# Altium PCB ETRX_Shield_III.PcbDoc (part 1 of 2) (continued)
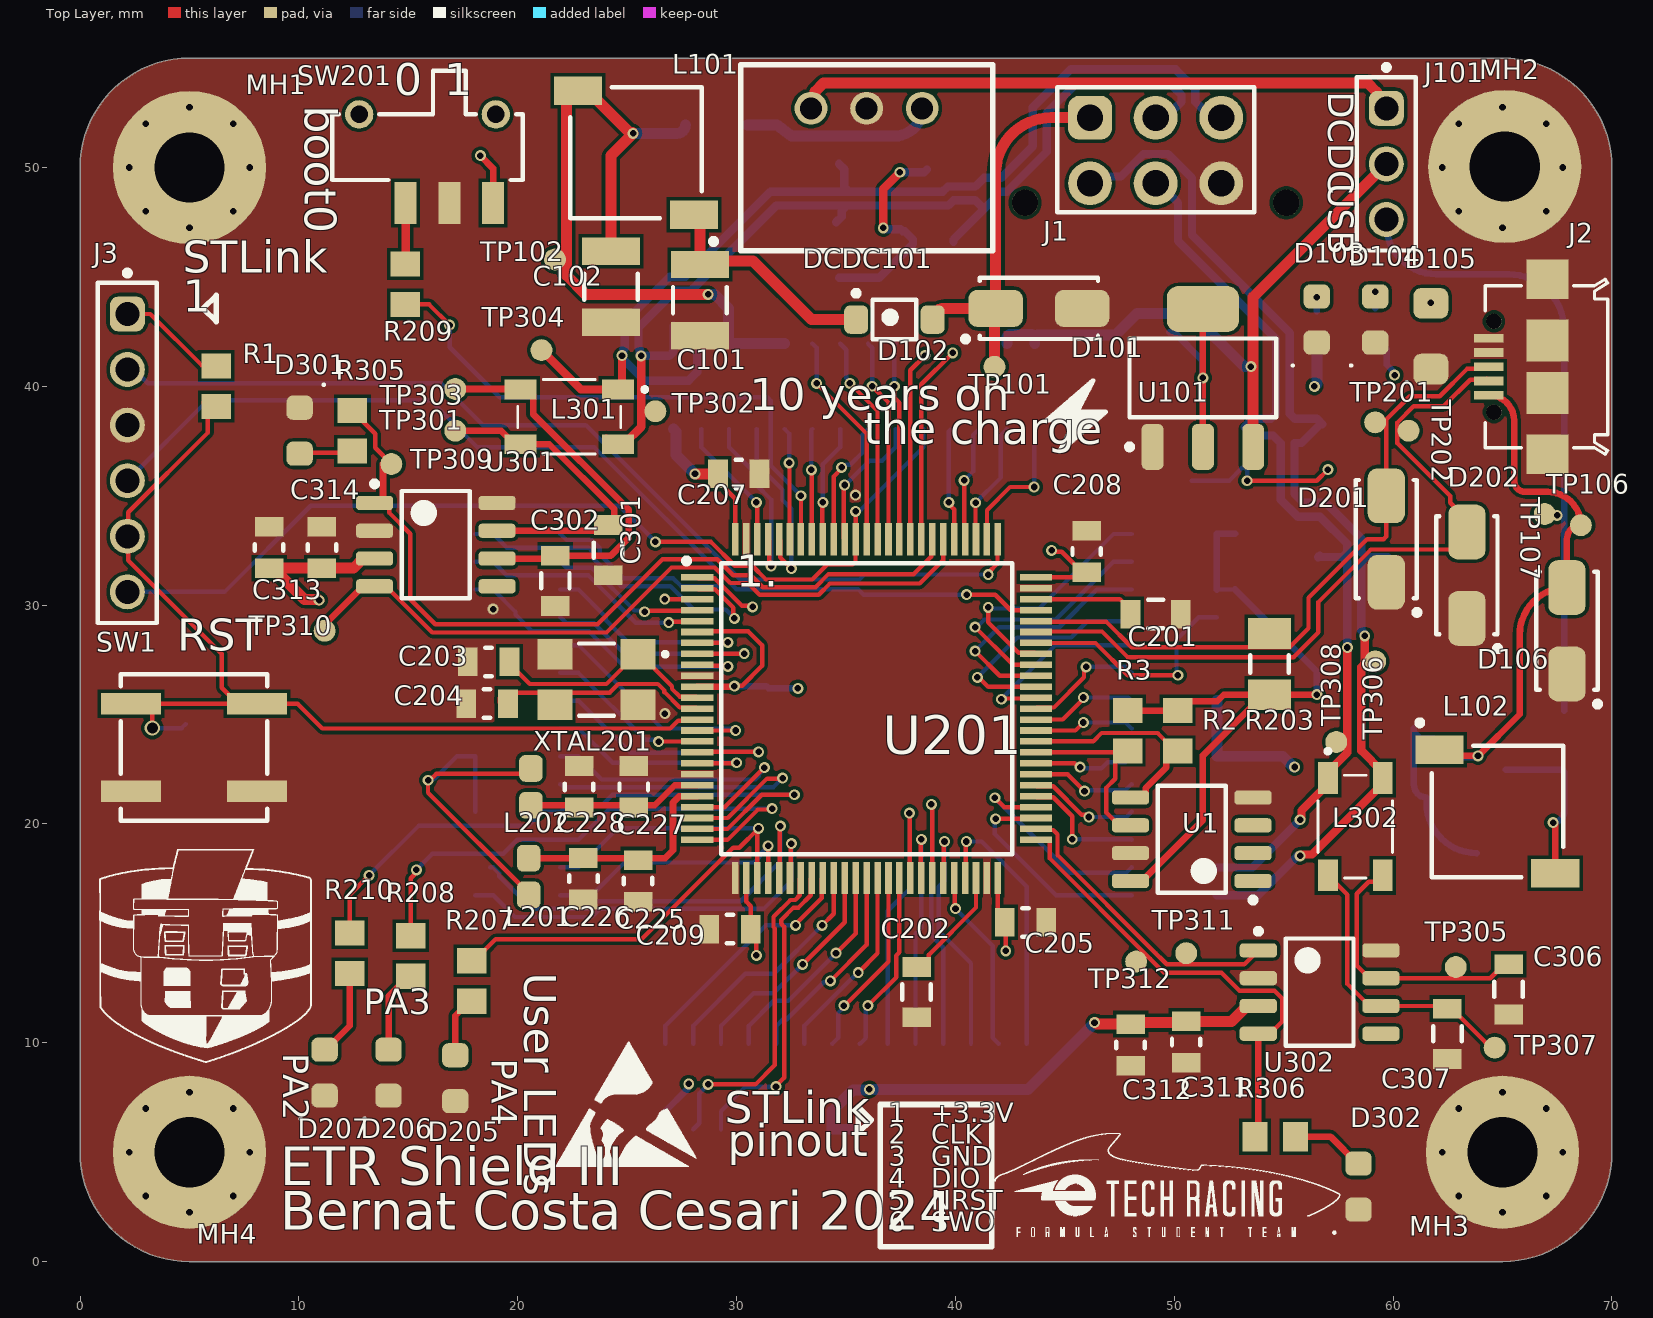
[diagram p0: Top Layer view]
## Part data (continued)
D301 D302: library part LEDYS-0805-120, "2 V Yellow LED 2012 (0805) SMD, Wurth Elektronik WL-SMCW 150080YS75000", Case Code (Imperial)=0805, Case Code (Metric)=2012, Color=Yellow, Forward Current=30mA, Forward Voltage=2V, Manufacturer 1="Wurth Electronics", Max Operating Temperature=85°C, Min Operating Temperature=-40°C, Package Quantity=4000, Supplier Part Number 1=8154231, Test Current=20mA, .Creator=DR, Case/Package=0805, Category=LEDs, ComponentLink1Description=Datasheet, ComponentLink1URL=https://www.we-online.com/catalog/datasheet/150080YS75000.pdf, ComponentLink2Description="Where buy it", ComponentLink2URL=https://katalog.we-online.de/en/led/WL-SMCW/150080YS75000, ComponentLink3Description=https://datasheet.ciiva.com/23843/150080ys75000-23843256.pdf?src-supplier=Newark, ComponentLink3URL=https://datasheet.ciiva.com/23843/150080ys75000-23843256.pdf?src-supplier=Newark, ComponentLink4Description=https://datasheet.ciiva.com/29279/759438-da-01-en-chipled-0805-w-kl-gelb-150080ys75000-29279034.pdf?src-supplier=Conrad, ComponentLink4URL=https://datasheet.ciiva.com/29279/759438-da-01-en-chipled-0805-w-kl-gelb-150080ys75000-29279034.pdf?src-supplier=Conrad, ComponentLink5Description=https://datasheet.ciiva.com/22656/1911353-22656971.pdf?src-supplier=Element14, ComponentLink5URL=https://datasheet.ciiva.com/22656/1911353-22656971.pdf?src-supplier=Element14, ComponentLink6Description=https://datasheet.ciiva.com/29563/150080ys75000-29563019.pdf?src-supplier=Digi-Key, ComponentLink6URL=https://datasheet.ciiva.com/29563/150080ys75000-29563019.pdf?src-supplier=Digi-Key, ComponentLink7Description=https://datasheet.ciiva.com/29563/150080ys75000-29563020.pdf?src-supplier=Digi-Key, ComponentLink7URL=https://datasheet.ciiva.com/29563/150080ys75000-29563020.pdf?src-supplier=Digi-Key, ComponentLink8Description=https://datasheet.ciiva.com/29563/150080ys75000-29563021.pdf?src-supplier=Digi-Key, ComponentLink8URL=https://datasheet.ciiva.com/29563/150080ys75000-29563021.pdf?src-supplier=Digi-Key, Dominant Wavelength=590nm, Height=0.7mm, Length=2mm, Lens Style=Clear,Rectangular, Luminous Intensity=120mcd, Manufacturer Part Number 1=150080YS75000, Mount="Surface Mount", Packaging="Tape and Reel", Pricing 1="50=0,19300, 500=0,12900, 750=0,12300, 1500=0,11700, 3000=0,11100 (USD)", REACH SVHC=Unknown, RoHS=Yes, RoHS Compliant=Yes, Stock 1=2100, Supplier 1=RSComponents, Viewing Angle=140°, Wavelength=590nm, Width=1.25mm
DCDC101: library part DCDC-42V/5V-1A, "Würth Elektronik 8-42V to 5V 1A DC-DC", Manufacturer 1="Wurth Electronics", Max Input Voltage=42V, Max Operating Temperature=85°C, Max Output Current=1A, Min Input Voltage=8V, Min Operating Temperature=-40°C, Supplier Part Number 1=1447809, Voltage - Output 1=5V, .Creator=DR, ComponentLink1Description=http://www.farnell.com/datasheets/2192895.pdf?src-supplier=Farnell, ComponentLink1URL=http://www.farnell.com/datasheets/2192895.pdf?src-supplier=Farnell, ComponentLink2Description=http://www.farnell.com/datasheets/2192895.pdf?src-supplier=Newark, ComponentLink2URL=http://www.farnell.com/datasheets/2192895.pdf?src-supplier=Newark, ComponentLink3Description=https://katalog.we-online.de/pm/datasheet/173010542.pdf?src-supplier=Digi-Key, ComponentLink3URL=https://katalog.we-online.de/pm/datasheet/173010542.pdf?src-supplier=Digi-Key, Efficiency=93%, Features=UVLO,OCP,OTP,SCP, Manufacturer Part Number 1=173010542, Mount="Through Hole", Number of Outputs=1, Packaging=Rail/Tube, Pricing 1="1=12,22500, 8=10,96900, 21=10,68900 (USD)", RoHS=Yes, RoHS Compliant=Yes, Stock 1=1, Supplier 1=RSComponents
F101 F102: library part Fuse_1A_63V_1206, "Fuse Chip Fast Acting 1A 63V SMD Solder Pad 1206 Ceramic T/R Automotive", Case Code (Imperial)=1206, Case Code (Metric)=3216, Current Rating=1A, Manufacturer=Littelfuse, Max Operating Temperature=150°C, Min Operating Temperature=-55°C, Supplier Part Number 1=F10001CT-ND, Voltage Rating (AC)=63V, .Creator=DO, Approvals=CSA,cURus, Case/Package=1206, Category=Fuses, ComponentLink1Description=https://www.littelfuse.com/~/media/electronics/datasheets/fuses/littelfuse_fuse_437a_datasheet.pdf.pdf?src-supplier=Digi-Key, ComponentLink1URL=https://www.littelfuse.com/~/media/electronics/datasheets/fuses/littelfuse_fuse_437a_datasheet.pdf.pdf?src-supplier=Digi-Key, ComponentLink2Description="Where buy it", ComponentLink2URL=https://www.mouser.es/ProductDetail/Littelfuse/0437001WRA?qs=DXv0QSHKF4z9CJhPXjxR%252BA%3D%3D, Fuse Type="Board Mount (Cartridge Style Excluded)", Manufacturer Part Number=0437001.WRA, Mount="Surface Mount", Packaging="Tape and Reel", Pricing 1="1=1,52000, 5=1,47000, 10=1,37600, 50=1,13860, 100=0,94880, 250=0,92508, 500=0,78276, 1000=0,68788 (USD)", RoHS=Yes, Stock 1=5820, Supplier 1=Digi-Key, Voltage Rating (DC)=63V
J1: library part J_MicroFit_2x3_V, "Micro fit Header, 2 Row, Vertical, Polarizing Peg, 6 Pin, Tin Plate, SMT/Glow Wire, Kinked Leads", Manufacturer=Molex, Manufacturer Part Number=43045-0612, Supplier Part Number 1=2332898, .Creator=DO, Category="Headers and Wire Housings", ComponentLink1Description=Datasheet, ComponentLink1URL=https://www.molex.com/pdm_docs/sd/430450612_sd.pdf, ComponentLink2Description=https://datasheet.ciiva.com/11748/0900766b800bd7d2-11748707.pdf?src-supplier=RSComponents, ComponentLink2URL=https://datasheet.ciiva.com/11748/0900766b800bd7d2-11748707.pdf?src-supplier=RSComponents, ComponentLink3Description=https://datasheet.ciiva.com/19462/883464-19462371.pdf?src-supplier=Jameco, ComponentLink3URL=https://datasheet.ciiva.com/19462/883464-19462371.pdf?src-supplier=Jameco, ComponentLink4Description=https://datasheet.ciiva.com/30194/128550430450612-pcb-headers-30194512.pdf?src-supplier=Onlinecomponents.com, ComponentLink4URL=https://datasheet.ciiva.com/30194/128550430450612-pcb-headers-30194512.pdf?src-supplier=Onlinecomponents.com, ComponentLink5Description=https://datasheet.ciiva.com/9468/0430450612-pcb-headers-9468492.pdf?src-supplier=Avnet, ComponentLink5URL=https://datasheet.ciiva.com/9468/0430450612-pcb-headers-9468492.pdf?src-supplier=Avnet, ComponentLink8Description="Where buy it", ComponentLink8URL=https://www.molex.com/molex/products/part-detail/pcb_headers/0430450612, Pricing 1="5=1,45500, 100=1,26700, 375=1,08900, 1500=0,90900, 3000=0,72900 (USD)", RoHS=Yes, Stock 1=2635, Supplier 1=RSComponents
J2: "WR-COM Micro USB 2.0 SMT Type B Horizontal 5 Contacts", Manufacturer="Wurth Elektronik", Operating Temperature Max=105°C, Operating Temperature Min=-40°C, Rated Current=1A, Working Voltage="30V (AC)", Application="Micro USB 2.0", Category="Input/Output Connectors", ComponentLink1Description="Website Link", ComponentLink1URL=https://www.we-online.com/redexpert/article/629105136821?ad, ComponentLink2Description="Datasheet Link", ComponentLink2URL=https://www.we-online.com/redexpert/spec/629105136821?ad, Gender=Receptacle, Interface Type="Type B", Manufacturer Part Number=629105136821, Match Code=WR-USB, Mount="Surface Mount", Number of Pins=5, Number of Ports=1, Orientation=Horizontal, Packaging="Tape and Reel"
J3: library part J_STLink_STM32_PinHeader_1x6
J4 J5 J6 J7: "WR-PHD Pin Header, SMT, Vertical, pitch 1.27mm, 2 Row, 28P", Contact Resistance=20mΩ, Manufacturer="Wurth Elektronik", Operating Temperature Max=105°C, Operating Temperature Min=-40°C, Rated Current=1A, Withstanding Voltage=500V, Working Voltage=100V, Category="Board-to-Board Connectors", ComponentLink1Description="Website Link", ComponentLink1URL=https://www.we-online.com/redexpert/article/62132821021?ad, ComponentLink2Description="Datasheet Link", ComponentLink2URL=https://www.we-online.com/redexpert/spec/62132821021?ad, Gender="Pin Header", Manufacturer Part Number=62132821021, Match Code=WR-PHD, Mount="Surface Mount", Number of Pins=28, Number of Rows=2, Orientation=Vertical, Packaging="Tape and Reel", Pitch=1.27mm
J101: library part J_Pinheader_1x3, "61300311121"
L101 L102: library part L_47u-490mA_CF, "Inductor Power Unshielded Wirewound 47uH 10% 100KHz Ferrite 490mA 546mOhm DCR T/R", Case/Package=Nonstandard, Current Rating=490mA, DC Resistance (DCR)=546mR, Manufacturer=Sumida, Manufacturer Part Number=CDC5D23BNP-470KC, Max Operating Temperature=100°C, Min Operating Temperature=-40°C, Package Quantity=2000, Supplier Part Number 1=851-CDC5D23BNP-470KC, Test Frequency=100kHz, Tolerance=10%, .Creator=GP, Category="Fixed Inductors", ComponentLink1Description=http://www.mouser.com/ds/2/390/CDC5D23B-465898.pdf?src-supplier=Mouser, ComponentLink1URL=http://www.mouser.com/ds/2/390/CDC5D23B-465898.pdf?src-supplier=Mouser, ComponentLink3Description=http://products.sumida.com/products/pdf/CDC5D23B.pdf?src-supplier=Digi-Key, ComponentLink3URL=http://products.sumida.com/products/pdf/CDC5D23B.pdf?src-supplier=Digi-Key, Core Material=Ferrite, Height=2.5mm, Height - Seated (Max)=0.098inch, Inductance=47uH, Lead Free="Lead Free", Length=0.228inch, Max DC Current=490mA, Mount="Surface Mount", Packaging="Tape and Reel", Pricing 1="1=0,95000, 10=0,71100, 50=0,71100, 100=0,59700, 1000=0,40600, 10000=0,38100 (USD)", RoHS=Yes, RoHS Compliant=Yes, Series=CDC5D23B, Shielding=Unshielded, Stock 1=3779, Supplier 1=Mouser, Termination=SMD/SMT, Weight=0.007584oz, Width=5.8mm
L201 L202: library part L_Ferrite_bead_782853561, Case Code (Imperial)=0603, Case Code (Metric)=1608, Current Rating=500mA, DC Resistance (DCR)=210mR, Manufacturer=Murata, Manufacturer Part Number=BLM18EG331TN1D, Max Operating Temperature=125°C, Min Operating Temperature=-55°C, Package Quantity=1, Supplier Part Number 1=490-5913-1-ND, Test Frequency=100MHz, Tolerance=25%, .Creator=GP, Case/Package=0603, Category="Ferrite Beads and Chips", ComponentLink1Description=https://datasheet.ciiva.com/1467/5169-1467232.pdf?src-supplier=Element14, ComponentLink1URL=https://datasheet.ciiva.com/1467/5169-1467232.pdf?src-supplier=Element14, ComponentLink2Description=https://datasheet.ciiva.com/11795/0900766b811b5866-11795405.pdf?src-supplier=RSComponents, ComponentLink2URL=https://datasheet.ciiva.com/11795/0900766b811b5866-11795405.pdf?src-supplier=RSComponents, ComponentLink3Description=https://datasheet.ciiva.com/41449/001172267-da-01-en-drossel-0603-330r-1-6x0-8mm-4000st-41449581.pdf?src-supplier=Conrad, ComponentLink3URL=https://datasheet.ciiva.com/41449/001172267-da-01-en-drossel-0603-330r-1-6x0-8mm-4000st-41449581.pdf?src-supplier=Conrad, ComponentLink4Description=https://datasheet.ciiva.com/1467/5169-1467233.pdf?src-supplier=Element14, ComponentLink4URL=https://datasheet.ciiva.com/1467/5169-1467233.pdf?src-supplier=Element14, ComponentLink5Description=https://datasheet.ciiva.com/1561/5169-1561345.pdf?src-supplier=Newark, ComponentLink5URL=https://datasheet.ciiva.com/1561/5169-1561345.pdf?src-supplier=Newark, ComponentLink6Description=https://datasheet.ciiva.com/3082/l0110s0101blm18e-3082714.pdf?src-supplier=Avnet, ComponentLink6URL=https://datasheet.ciiva.com/3082/l0110s0101blm18e-3082714.pdf?src-supplier=Avnet, ComponentLink7Description=https://datasheet.ciiva.com/6211/l0110s0101blm18e-6211470.pdf?src-supplier=Digi-Key, ComponentLink7URL=https://datasheet.ciiva.com/6211/l0110s0101blm18e-6211470.pdf?src-supplier=Digi-Key, ComponentLink8Description=https://datasheet.ciiva.com/6211/l0110s0101blm18e-6211471.pdf?src-supplier=Digi-Key, ComponentLink8URL=https://datasheet.ciiva.com/6211/l0110s0101blm18e-6211471.pdf?src-supplier=Digi-Key, Core Material=Ferrite, Depth=0.8mm, Height=0.8mm, Impedance=330R, Lead Free="Lead Free", Length=1.6mm, Material=Ferrite,Steel, Max Current Rating=500mA, Max DC Current=500mA, Number of Circuits=1, Number of Lines=1, Number of Pins=2, Packaging="Tape and Reel", Pricing 1="1=0,23000, 10=0,17500, 25=0,14520, 50=0,12520, 100=0,11260, 250=0,09508, 500=0,08508, 1000=0,07257 (USD)", REACH SVHC="No SVHC", Resistance=210mR, RoHS=Yes, RoHS Compliant=Yes, Series=BLM18E, Stock 1=20037, Supplier 1=Digi-Key, Termination=SMD/SMT, Width=0.8mm
L301 L302: library part CMC-51uH-230mA, "Ind Common Mode Choke Wirewound 51uH -30% to 50% 1MHz 230mA 1812 Embossed Plastic T/R", Case Code (Imperial)=1812, Case Code (Metric)=4532, Current=230mA, DC Resistance (DCR)=1R, Manufacturer=Murata, Manufacturer Part Number=DLW43SH510XK2L, Max Operating Temperature=125°C, Min Operating Temperature=-40°C, Package Quantity=1, Ratings=AEC-Q200, Test Frequency=100MHz, Tolerance=50%, Voltage Rating (DC)=50V, Case/Package=1812, Category="Common Mode Chokes", ComponentLink1Description=https://datasheet.ciiva.com/8506/l0132s0197dlw43s-8506349.pdf?src-supplier=Avnet, ComponentLink1URL=https://datasheet.ciiva.com/8506/l0132s0197dlw43s-8506349.pdf?src-supplier=Avnet, Current Rating=230mA, DC Current=230mA, Depth=3.4mm, Height=2.6mm, Lead Free="Lead Free", Length=4.5mm, Max Current Rating=230mA, Max DC Current=230mA, Military Standard=Not, Mounting Technology="Surface Mount", Number of Lines=2, Packaging="Tape and Reel", Pricing 1="500=0,4125, 1000=0,385, 2500=0,361, 10000=0,3484 (USD)", Reach SVHC Compliant=No, RoHS=Yes, RoHS Compliant=Yes, Series=DLW43S, Shielding=Unshielded, Specifications sheet=https://www.murata.com/products/productdata/8804914298910/QFLC9127.pdf?1681702277000, Stock 1=6000, Supplier 1="Arrow Electronics", Supplier Part Number 1=DLW43SH510XK2L, Termination=SMD/SMT, Weight=0.005997oz, Width=0.126inch
R1 R2 R3 R209: library part R10k-0805FTK, "BOURNS         CR0805-JW-103ELF            Surface Mount Chip Resistor, Thick Film, CR Series, 10 kohm, 125 mW,  5%, 150 V", Case Code (Imperial)=0805, Case Code (Metric)=2012, Manufacturer 1=Bourns, Max Operating Temperature=155°C, Max Power Dissipation=125mW, Min Operating Temperature=-55°C, Package Quantity=1, Resistance=10kR, Resistance Tolerance=5%, Resistor Type="Thick Film", Temperature Coefficient=200ppm/°C, Voltage Rating=150V, Voltage Rating (DC)=100V, .Creator=DR, Case/Package=0805, Category="Chip SMD Resistors", ComponentLink1Description=https://datasheet.ciiva.com/11821/0900766b80fcdb72-11821135.pdf?src-supplier=RSComponents, ComponentLink1URL=https://datasheet.ciiva.com/11821/0900766b80fcdb72-11821135.pdf?src-supplier=RSComponents, ComponentLink2Description=https://datasheet.ciiva.com/9122/chpreztr-9122374.pdf?src-supplier=Avnet, ComponentLink2URL=https://datasheet.ciiva.com/9122/chpreztr-9122374.pdf?src-supplier=Avnet, ComponentLink3Description=https://datasheet.ciiva.com/22693/1902866-22693254.pdf?src-supplier=Element14, ComponentLink3URL=https://datasheet.ciiva.com/22693/1902866-22693254.pdf?src-supplier=Element14, ComponentLink4Description=https://datasheet.ciiva.com/7986/691949-7986187.pdf?src-supplier=Element14, ComponentLink4URL=https://datasheet.ciiva.com/7986/691949-7986187.pdf?src-supplier=Element14, ComponentLink5Description=https://datasheet.ciiva.com/30065/159chpreztr-30065976.pdf?src-supplier=Onlinecomponents.com, ComponentLink5URL=https://datasheet.ciiva.com/30065/159chpreztr-30065976.pdf?src-supplier=Onlinecomponents.com, ComponentLink6Description=https://datasheet.ciiva.com/16783/70154685-16783482.pdf?src-supplier=Allied+Electronics, ComponentLink6URL=https://datasheet.ciiva.com/16783/70154685-16783482.pdf?src-supplier=Allied+Electronics, ComponentLink7Description=https://datasheet.ciiva.com/5548/chpreztr-5548491.pdf?src-supplier=Mouser, ComponentLink7URL=https://datasheet.ciiva.com/5548/chpreztr-5548491.pdf?src-supplier=Mouser, ComponentLink8Description=https://datasheet.ciiva.com/6559/chpreztr-6559900.pdf?src-supplier=Digi-Key, ComponentLink8URL=https://datasheet.ciiva.com/6559/chpreztr-6559900.pdf?src-supplier=Digi-Key, ComponentLink9Description=https://datasheet.ciiva.com/6559/chpreztr-6559901.pdf?src-supplier=Digi-Key, ComponentLink9URL=https://datasheet.ciiva.com/6559/chpreztr-6559901.pdf?src-supplier=Digi-Key, ComponentLink10Description=https://datasheet.ciiva.com/7985/1856384-7985869.pdf?src-supplier=Element14, ComponentLink10URL=https://datasheet.ciiva.com/7985/1856384-7985869.pdf?src-supplier=Element14, ComponentLink11Description=https://datasheet.ciiva.com/48692/001055517-da-01-en-smd-wid-cr0805-jw-103elf-10k-ohm-1-8w-48692118.pdf?src-supplier=Conrad, ComponentLink11URL=https://datasheet.ciiva.com/48692/001055517-da-01-en-smd-wid-cr0805-jw-103elf-10k-ohm-1-8w-48692118.pdf?src-supplier=Conrad, Construction=Rectangular, Contact Plating=Tin, Depth=1.25mm, Features="Moisture Resistant", Height=0.5mm, Length=2mm, Manufacturer Part Number 1=CR0805-JW-103ELF, Military Standard=Not, Mount="Surface Mount", Number of Pins=2, Number of Terminations=2, Packaging="Tape and Reel", Power Rating=125mW, Pricing 1="1=0,05790, 10=0,01540, 25=0,01340, 100=0,00340 (USD)", Radiation Hardening=No, REACH SVHC="No SVHC", RoHS=Yes, RoHS Compliant=Yes, Series=CR0805, Stock 1=57566, Supplier 1="Arrow Electronics", Supplier Part Number 1=CR0805-JW-103ELF, Technology="THICK FILM", Termination=SMD/SMT, Thickness=508um, Tolerance=5%, Width=1.25mm
R101 R103 R305 R306: library part R470-0805FTK, "Res Thick Film 0805 470 Ohm 1% 1/8W ±100ppm/°C Molded SMD SMD Paper Tape on Plastic Reel", Case Code (Imperial)=0805, Case Code (Metric)=2012, Manufacturer 1=Bourns, Max Operating Temperature=155°C, Max Power Dissipation=125mW, Min Operating Temperature=-55°C, Resistance=470R, Resistance Tolerance=1%, Resistor Type="Thick Film", Temperature Coefficient=100ppm/°C, Voltage Rating=150V, .Creator=DR, Case/Package=0805, Category="Chip SMD Resistors", ComponentLink1Description=https://datasheet.ciiva.com/11808/0900766b80fcdb72-11808686.pdf?src-supplier=RSComponents, ComponentLink1URL=https://datasheet.ciiva.com/11808/0900766b80fcdb72-11808686.pdf?src-supplier=RSComponents, ComponentLink2Description=https://datasheet.ciiva.com/7985/1856384-7985880.pdf?src-supplier=Element14, ComponentLink2URL=https://datasheet.ciiva.com/7985/1856384-7985880.pdf?src-supplier=Element14, ComponentLink3Description=https://datasheet.ciiva.com/22693/1902866-22693247.pdf?src-supplier=Element14, ComponentLink3URL=https://datasheet.ciiva.com/22693/1902866-22693247.pdf?src-supplier=Element14, ComponentLink4Description=https://datasheet.ciiva.com/5541/chpreztr-5541930.pdf?src-supplier=Mouser, ComponentLink4URL=https://datasheet.ciiva.com/5541/chpreztr-5541930.pdf?src-supplier=Mouser, Construction=Rectangular, Contact Plating=Tin, Depth=1.25mm, Features="Moisture Resistant", Height=0.5mm, Length=2mm, Manufacturer Part Number 1=CR0805-FX-4700GLF, Military Standard=Not, Mount="Surface Mount", Number of Pins=2, Number of Terminations=2, Packaging="Tape and Reel", Power Rating=125mW, Pricing 1="1=0,00990, 10=0,00980, 25=0,00950, 50=0,00940, 100=0,00930, 250=0,00920, 500=0,00910, 1000=0,00890, 3000=0,00870, 6000=0,00860 (USD)", Radiation Hardening=No, REACH SVHC="No SVHC", RoHS=Yes, Series=CR0805, Stock 1=12623, Supplier 1="Arrow Electronics", Supplier Part Number 1=CR0805-FX-4700GLF, Technology="THICK FILM", Termination=SMD/SMT, Thickness=508um, Tolerance=1%, Voltage Rating (DC)=150V
R102 R207 R208 R210: library part R100-0805FTK, "Res Thick Film 0805 100 Ohm 1% 1/8W ±100ppm/°C Molded SMD SMD Paper Tape on Plastic Reel", Case Code (Imperial)=0805, Case Code (Metric)=2012, Manufacturer 1=Bourns, Max Operating Temperature=155°C, Max Power Dissipation=125mW, Min Operating Temperature=-55°C, Package Quantity=1, Resistance=100R, Resistance Tolerance=1%, Resistor Type="Thick Film", Temperature Coefficient=100ppm/°C, Voltage Rating=150V, .Creator=DR, Case/Package=0805, Category="Chip SMD Resistors", ComponentLink1Description=https://datasheet.ciiva.com/11809/0900766b80fcdb72-11809178.pdf?src-supplier=RSComponents, ComponentLink1URL=https://datasheet.ciiva.com/11809/0900766b80fcdb72-11809178.pdf?src-supplier=RSComponents, ComponentLink2Description=https://datasheet.ciiva.com/6547/chpreztr-6547413.pdf?src-supplier=Digi-Key, ComponentLink2URL=https://datasheet.ciiva.com/6547/chpreztr-6547413.pdf?src-supplier=Digi-Key, ComponentLink3Description=https://datasheet.ciiva.com/6547/chpreztr-6547414.pdf?src-supplier=Digi-Key, ComponentLink3URL=https://datasheet.ciiva.com/6547/chpreztr-6547414.pdf?src-supplier=Digi-Key, ComponentLink4Description=https://datasheet.ciiva.com/6547/chpreztr-6547415.pdf?src-supplier=Digi-Key, ComponentLink4URL=https://datasheet.ciiva.com/6547/chpreztr-6547415.pdf?src-supplier=Digi-Key, ComponentLink5Description=https://datasheet.ciiva.com/9120/chpreztr-9120744.pdf?src-supplier=Avnet, ComponentLink5URL=https://datasheet.ciiva.com/9120/chpreztr-9120744.pdf?src-supplier=Avnet, Construction=Rectangular, Contact Plating=Tin, Depth=1.25mm, Features="Moisture Resistant", Height=0.5mm, Length=2mm, Manufacturer Part Number 1=CR0805-FX-1000ELF, Military Standard=Not, Mount="Surface Mount", Number of Pins=2, Number of Terminations=2, Packaging="Tape and Reel", Power Rating=125mW, Pricing 1="1=0,05840, 10=0,03430, 25=0,01780, 100=0,00750, 250=0,00560, 500=0,00490, 3000=0,00470 (USD)", Radiation Hardening=No, REACH SVHC="No SVHC", RoHS=Yes, RoHS Compliant=Yes, Series=CR0805, Stock 1=49802, Supplier 1="Arrow Electronics", Supplier Part Number 1=CR0805-FX-1000ELF, Technology="THICK FILM", Termination=SMD/SMT, Thickness=508um, Tolerance=1%, Voltage Rating (DC)=150V, Width=1.25mm
R203: library part R1.6K-1206FTK, "Res Thick Film 1206 1.6K Ohm 1% 1/4W ±100ppm/°C Molded SMD SMD Paper T/R", Case Code (Imperial)=1206, Case Code (Metric)=3216, Manufacturer 1=Vishay, Max Operating Temperature=155°C, Max Power Dissipation=250mW, Min Operating Temperature=-55°C, Package Quantity=5000, Resistance=1k6, Resistance Tolerance=1%, Resistor Type="Thick Film", Supplier Part Number 1=541-1.60KFCT-ND, Temperature Coefficient=100ppm/°C, Voltage Rating=200V, .Creator=DO, Case/Package=1206, Category="Chip SMD Resistors", ComponentLink1Description=https://datasheet.ciiva.com/11811/0900766b80d98b5e-11811377.pdf?src-supplier=RSComponents, ComponentLink1URL=https://datasheet.ciiva.com/11811/0900766b80d98b5e-11811377.pdf?src-supplier=RSComponents, ComponentLink2Description=https://datasheet.ciiva.com/2515/dcrcwe3-2515616.pdf?src-supplier=Digi-Key, ComponentLink2URL=https://datasheet.ciiva.com/2515/dcrcwe3-2515616.pdf?src-supplier=Digi-Key, ComponentLink3Description=https://datasheet.ciiva.com/2515/dcrcwe3-2515617.pdf?src-supplier=Digi-Key, ComponentLink3URL=https://datasheet.ciiva.com/2515/dcrcwe3-2515617.pdf?src-supplier=Digi-Key, ComponentLink4Description=https://datasheet.ciiva.com/2515/dcrcwe3-2515618.pdf?src-supplier=Digi-Key, ComponentLink4URL=https://datasheet.ciiva.com/2515/dcrcwe3-2515618.pdf?src-supplier=Digi-Key, ComponentLink5Description=https://datasheet.ciiva.com/9098/dcrcwe3-9098889.pdf?src-supplier=Avnet, ComponentLink5URL=https://datasheet.ciiva.com/9098/dcrcwe3-9098889.pdf?src-supplier=Avnet, ComponentLink6Description=https://datasheet.ciiva.com/16213/dcrcwe3-16213498.pdf?src-supplier=Future+Electronics, ComponentLink6URL=https://datasheet.ciiva.com/16213/dcrcwe3-16213498.pdf?src-supplier=Future+Electronics, ComponentLink7Description=https://datasheet.ciiva.com/17203/dcrcwe3-17203786.pdf?src-supplier=Avnet+Europe, ComponentLink7URL=https://datasheet.ciiva.com/17203/dcrcwe3-17203786.pdf?src-supplier=Avnet+Europe, ComponentLink8Description=https://datasheet.ciiva.com/7670/1697337-7670316.pdf?src-supplier=Element14, ComponentLink8URL=https://datasheet.ciiva.com/7670/1697337-7670316.pdf?src-supplier=Element14, ComponentLink9Description=https://datasheet.ciiva.com/7670/1697337-7670317.pdf?src-supplier=Element14, ComponentLink9URL=https://datasheet.ciiva.com/7670/1697337-7670317.pdf?src-supplier=Element14, ComponentLink10Description=https://datasheet.ciiva.com/5550/dcrcwe3-109170-5550718.pdf?src-supplier=Mouser, ComponentLink10URL=https://datasheet.ciiva.com/5550/dcrcwe3-109170-5550718.pdf?src-supplier=Mouser, ComponentLink11Description=RS, ComponentLink11URL=https://es.rs-online.com/web/p/resistencias-fijas-para-montaje-en-superficie/6791866/, Construction=Rectangular, Contact Plating=Tin, Depth=1.6mm, Features="Automotive AEC-Q200", Height=0.55mm, Lead Free="Lead Free", Length=3.2mm, Manufacturer Part Number 1=CRCW12061K60FKEA, Military Standard=Not, Number of Pins=2, Number of Terminations=2, Packaging="Tape and Reel", Power Rating=250mW, Pricing 1="1=0,10000, 10=0,08200, 100=0,03160, 1000=0,01392, 2500=0,01202 (USD)", Radiation Hardening=No, REACH SVHC=Unknown, RoHS=Yes, RoHS Compliant=Yes, Series=CRCW, Size Code=1206, Supplier 1=Digi-Key, Technology="THICK FILM", Termination=SMD/SMT, Tolerance=1%, Voltage Rating (DC)=200V, Weight=0.000353oz, Width=0.063inch
R301 R302 R303 R304: "Res Thin Film 0805 60.4 Ohm 0.1% 1/8W ±25ppm/°C Molded SMD SMD Punched Carrier T/R", Case Code (Imperial)=0805, Case Code (Metric)=2012, Manufacturer 1=Panasonic, Manufacturer Part Number 1=ERA-6AEB60R4V, Max Operating Temperature=155°C, Max Power Dissipation=125mW, Min Operating Temperature=-55°C, Package Quantity=5000, Resistance=60.4R, Resistor Type="Thin Film,Metal Film", Temperature Coefficient=25ppm/°C, Tolerance=0.1%, Voltage Rating=200V, Voltage Rating (DC)=100V, .Creator=DR, Case/Package=0805, Category="Chip SMD Resistors", ComponentLink1Description=https://datasheet.ciiva.com/11811/0900766b80eb1d8c-11811180.pdf?src-supplier=RSComponents, ComponentLink1URL=https://datasheet.ciiva.com/11811/0900766b80eb1d8c-11811180.pdf?src-supplier=RSComponents, ComponentLink2Description=https://datasheet.ciiva.com/41450/001181146-da-01-en-widerstand-era-0805-60r4-0-1-5000st-41450303.pdf?src-supplier=Conrad, ComponentLink2URL=https://datasheet.ciiva.com/41450/001181146-da-01-en-widerstand-era-0805-60r4-0-1-5000st-41450303.pdf?src-supplier=Conrad, ComponentLink3Description=https://datasheet.ciiva.com/5951/485442-5951173.pdf?src-supplier=Farnell, ComponentLink3URL=https://datasheet.ciiva.com/5951/485442-5951173.pdf?src-supplier=Farnell, ComponentLink4Description=https://datasheet.ciiva.com/30184/54aoa0000ce26-30184022.pdf?src-supplier=Onlinecomponents.com, ComponentLink4URL=https://datasheet.ciiva.com/30184/54aoa0000ce26-30184022.pdf?src-supplier=Onlinecomponents.com, ComponentLink5Description=https://datasheet.ciiva.com/9188/aoa0000ce26-9188476.pdf?src-supplier=Avnet, ComponentLink5URL=https://datasheet.ciiva.com/9188/aoa0000ce26-9188476.pdf?src-supplier=Avnet, Contact Plating=Tin, Depth=1.25mm, Features="Automotive AEC-Q200", Height=0.5mm, Lead Free="Lead Free", Length=2mm, Mount="Surface Mount", Number of Pins=2, Number of Terminations=2, Packaging="Tape and Reel", Power Rating=125mW, Pricing 1="1=0,04650, 10=0,03900, 100=0,02860 (USD)", Radiation Hardening=No, RoHS=Yes, Stock 1=5000, Supplier 1="Arrow Electronics", Supplier Part Number 1=ERA-6AEB60R4V, Termination=SMD/SMT, Weight=0.000194oz, Width=1.25mm
SW1: "WS-TASV J-Hook SMT Hermetic Tact Switch, L6 x W6 x H3.4mm, 250g, SPST-NO, 12V, 50mA", Manufacturer="Wurth Elektronik", Operating Temperature Max=85°C, Operating Temperature Min=-40°C, Rated Current=50mA, Rated Voltage (DC)=12V, Category="Tact Switches", Circuit=SPST-NO, ComponentLink1Description="Website Link", ComponentLink1URL=https://www.we-online.com/redexpert/article/430773034825?ad, ComponentLink2Description="Datasheet Link", ComponentLink2URL=https://www.we-online.com/redexpert/spec/430773034825?ad, Contact Material="Stainless Steel", Contact Plating=Silver, Height=3.4mm, Length=6mm, Manufacturer Part Number=430773034825, Match Code=WS-TASV, Mount="Surface Mount", Operation Force=250g, Packaging="Tape and Reel", Terminal Material="Copper Alloy", Terminal Plating=Silver, Washable=Yes, Width=6mm
SW201: "WS-SLSU SMT Mini Slide Switch Same Side Connection, SPDT, 5VDC, 300mA, 225g", Manufacturer="Wurth Elektronik", Operating Temperature Max=85°C, Operating Temperature Min=-40°C, Rated Current=300mA, Rated Voltage=5VDC, Category="Slide Switches", Circuit=SPDT, ComponentLink1Description="Website Link", ComponentLink1URL=https://www.we-online.com/redexpert/article/450405020524?ad, ComponentLink2Description="Datasheet Link", ComponentLink2URL=https://www.we-online.com/redexpert/spec/450405020524?ad, Contact Material="Copper Alloy", Contact Plating=Silver, Height=2mm, Length=8.7mm, Manufacturer Part Number=450405020524, Match Code=WS-SLSU, Mount="Surface Mount", Operation Force=225g, Packaging="Tape and Reel", Terminal Material="Copper Alloy", Terminal Plating=Silver, Width=3mm
TP101 TP102 TP106 TP107 TP201 TP202 TP301 TP302 TP303 TP304 TP305 TP306 TP307 TP308 TP309 TP310 TP311 TP312: "Test Point 1x1 mm", .Creator=GP, .PCBcheck=GP, .SCHcheck=GP, Category=TestPoint
U1: library part "EEPROM 24AA02I2C 2K Microchip", "24AA02 / 2Kb I2C compatible 2-wire Serial EEPROM", Supplier Part Number 1=24AA02-I/SN, ComponentLink1Description=Datasheet, ComponentLink1URL=https://ww1.microchip.com/downloads/aemDocuments/documents/MPD/ProductDocuments/DataSheets/24AA02-24LC02B-24FC02-2K-I2C-Serial-EEPROM-20001709N.pdf, Supplier 1="Arrow Electronics"
U101: library part LDO_10V-0.8/3V3-SOT223, "LDO Regulator Pos 3.3V 0.8A 4-Pin(3+Tab) SOT-223 T/R / IC REG LDO 3.3V 0.8A SOT223", Case/Package=SOT-223, Current Rating=800A, Dropout Voltage=1.2V, Manufacturer="Texas Instruments", Max Input Voltage=15V, Max Operating Temperature=125°C, Max Output Current=800mA, Max Supply Voltage=10V, Min Input Voltage=2.6V, Min Operating Temperature=-40°C, Min Supply Voltage=4.75V, Nominal Output Voltage=3.3V, Output Voltage Accuracy=1%, Package Quantity=1000, Quiescent Current=15mA, Supplier Part Number 1=LM1117IMP-3.3/NOPBCT-ND, .Creator=GP, Accuracy=1%, Category=LDO, ComponentLink1Description=Datasheet, ComponentLink1URL=https://www.ti.com/lit/ds/symlink/lm1117.pdf?HQS=dis-mous-null-mousermode-dsf-pf-null-wwe&DCM=yes&ref_url=https%3A%2F%2Fwww.mouser.de%2F&distId=26, ComponentLink2Description="Where buy it", ComponentLink2URL=https://www.mouser.es/ProductDetail/Texas-Instruments/LM1117IMP-33-NOPB?qs=X1J7HmVL2ZFbpN1TgOsjYQ%3D%3D, ComponentLink3Description=https://datasheet.ciiva.com/27051/1281318-27051810.pdf?src-supplier=Jameco, ComponentLink3URL=https://datasheet.ciiva.com/27051/1281318-27051810.pdf?src-supplier=Jameco, ComponentLink4Description=https://datasheet.ciiva.com/8042/1670636-8042261.pdf?src-supplier=Element14, ComponentLink4URL=https://datasheet.ciiva.com/8042/1670636-8042261.pdf?src-supplier=Element14, ComponentLink5Description=https://datasheet.ciiva.com/1570/1849796-1570171.pdf?src-supplier=Farnell, ComponentLink5URL=https://datasheet.ciiva.com/1570/1849796-1570171.pdf?src-supplier=Farnell, ComponentLink6Description=https://datasheet.ciiva.com/14149/lm1117-eng-tds-14149980.pdf?src-supplier=Distrelec, ComponentLink6URL=https://datasheet.ciiva.com/14149/lm1117-eng-tds-14149980.pdf?src-supplier=Distrelec, ComponentLink7Description=https://datasheet.ciiva.com/46386/1882372-46386042.pdf?src-supplier=Element14, ComponentLink7URL=https://datasheet.ciiva.com/46386/1882372-46386042.pdf?src-supplier=Element14, ComponentLink8Description=https://datasheet.ciiva.com/3223/lm1117-n-3223515.pdf?src-supplier=Avnet, ComponentLink8URL=https://datasheet.ciiva.com/3223/lm1117-n-3223515.pdf?src-supplier=Avnet, ComponentLink9Description=https://datasheet.ciiva.com/6580/lm1117-n-6580030.pdf?src-supplier=Digi-Key, ComponentLink9URL=https://datasheet.ciiva.com/6580/lm1117-n-6580030.pdf?src-supplier=Digi-Key, ComponentLink10Description=https://datasheet.ciiva.com/6580/lm1117-n-6580026.pdf?src-supplier=Digi-Key, ComponentLink10URL=https://datasheet.ciiva.com/6580/lm1117-n-6580026.pdf?src-supplier=Digi-Key, Height=1.6mm, Lead Free="Lead Free", Length=6.5mm, Manufacturer Part Number=LM1117IMP-3.3/NOPB, Min Current Limit=800mA, Mount="Surface Mount", Number of Outputs=1, Number of Pins=4, Number of Regulators=1, Output Current=800mA, Output Type=Fixed, Output Voltage=3.3V, Packaging="Tape and Reel", Polarity=Positive, Pricing 1="1=1,41000, 10=1,26300, 25=1,19920, 100=0,98500, 250=0,92072, 500=0,81366 (USD)", Radiation Hardening=No, REACH SVHC="No SVHC", RoHS=Yes, RoHS Compliant=Yes, Supplier 1=Digi-Key, Termination=SMD/SMT, Width=3.56mm
U201: "ARM Microcontrollers - MCU 16/32-BITS MICROS", Manufacturer_Name=STMicroelectronics, Mouser Part Number=511-STM32F777VIT6, Datasheet Link=https://www.st.com/resource/en/datasheet/stm32f777vi.pdf, Geometry.Height=1.6mm, Manufacturer_Part_Number=STM32F777VIT6, Mouser Price/Stock=https://www.mouser.co.uk/ProductDetail/STMicroelectronics/STM32F777VIT6?qs=qzCNEk%252BRr%252BbclRoyC9pexg%3D%3D
U301: library part "Transceiver CAN MCP2551 I/SN"
U302: library part "Transceiver CAN MCP2551 I/SN", Supplier Part Number 1=MCP2551T-I/SN, Supplier 1="Arrow Electronics"
XTAL201: library part XTAL_CPFX104_5_3.2, "WE-XTAL Quartz Crystal, SMT, CFPX-104, 20MHz, +/-20ppm", Case/Size Code=CFPX-104, Frequency Stability=+/-30ppm, Frequency Tolerance=+/-20ppm, Load Capacitance=18pF, Manufacturer="Wurth Elektronik", Manufacturer Part Number=830056808, Operating Temperature Max=85°C, Operating Temperature Min=-40°C, Category=Crystals, ComponentLink1Description="Website Link", ComponentLink1URL=https://www.we-online.com/redexpert/article/830056808?ad, ComponentLink2Description="Datasheet Link", ComponentLink2URL=https://www.we-online.com/redexpert/spec/830056808?ad, Frequency=20MHz, Height=1mm, Length=5mm, Match Code=WE-XTAL, Mount="Surface Mount", Packaging="Tape and Reel", Width=3.2mm

## Via types
v1: diameter 0.5, hole 0.3, Top Layer to Bottom Layer, 148 vias
v2: diameter 0.7, hole 0.5, Top Layer to Bottom Layer, 1 vias

## Nets (pads, with @x,y where several pads share a name; then routed paths per layer and width w, separated by ;. In a path a pad name is that pad's centre, name@x,y a point inside that pad or via, vN(x,y) a via of type N, cw(c..) or ccw(c..) an arc to the next point about the centre after c; other vN are vias at no path point)
"5V supply": DCDC101.3 J101.1 | length 27.8
  Top Layer w0.5: DCDC101.3@33.401,52.705 33.592,52.896 33.592,53.475 33.972,53.855 58.84,53.855 59.233,53.463 59.233,53.162 J101.1@59.69,52.705
+3.3: C105.2 C205.1 C206.1 C207.1 C208.1 C209.1 J3.1 J4.7 J4.9 J4.11 J5.2 J6.1 J6.3 J6.5 J7.2 L201.1 L202.1 R1.1 R2.1 R3.1 R102.1 R203.2 SW201.L1 U1.8 U101.2 U101.4 U201.6 U201.11 U201.27 U201.50 U201.75 U201.100 | length 97.8
  Top Layer w0.2: J3.1@2.159,43.307 3.211,43.307 R1.1@5.588,40.93 ; R1.1@6.123,40.604 R1.1@6.223,40.604 ; R1.1@6.35,40.93 R1.1@6.477,41.057 ; L201.1@20.5,16.76 20.5,16.83 15.9,21.43 v1(15.9,22) 15.981,22 16.281,22.3 20.36,22.3 L202.1@20.6,22.54 ; U201.6@28.203,28.773 28.23,28.8 30.534,28.8 31.166,28.169 31.166,27.229 30.257,26.32 29.92,26.32 v1(29.9,26.3) ; C207.1@29.15,36 29.5,35.65 29.5,35.3 29.941,34.859 U201.100@29.941,33.011 ; U201.27@30.441,17.535 30.441,16.453 30.65,16.244 C209.1@30.65,15.2 ; C209.1@30.695,14.823 30.727,14.823 30.9,14.65 v1(30.9,14) ; U201.50@41.941,17.535 41.941,15.809 C205.1@42.25,15.5 42.3,15.45 v1(42.3,14.2) ; U201.75@43.679,31.273 45.773,31.273 C208.1@46,31.5 45.8,31.5 44.857,32.443 44.457,32.443 v1(44.4,32.5) ; U1.8@48,17.399 U1.8@48.525,17.399
  Top Layer w0.3: v1(18.288,50.546) 18.875,49.959 SW201.L1@18.875,48.377 ; L202.1@20.6,22.54 20.893,22.247 L202.1@20.932,22.208 ; v1(27.813,8.128) v1@27.89,8.205 ; U201.11@28.203,26.273 v1@29.673,26.273 ; C209.1@30.695,14.823 C209.1@30.75,14.878 ; R3.1@47.879,25.182 R2.1@50.165,25.182 50.59,25.607 51.961,25.607 52.259,25.905 R203.2@54.081,25.905 ; U1.8@48.525,17.399 51.308,20.182 51.308,23.132 R203.2@54.081,25.905 ; U101.2@51.308,37.236 v1(51.308,40.386) U101.4@51.308,43.536 ; v1(56.515,25.908) 54.359,25.908 R203.2@54.356,25.905 R203.2@54.081,25.905
  Top Layer w0.5: v1(28.1,36) 28.95,36 29.023,35.927 C207.1@29.023,35.873
  Bottom Layer w0.2: v1(15.9,22) 15.957,22.057 16.187,22.057 17.225,23.095 J4.11@18.05,23.095 J4.9@18.05,21.825 J4.7@18.05,20.555 ; J6.5@51.95,30.715 J6.5@52.775,30.715
  Bottom Layer w0.3: J5.2@26.745,6.05 26.745,6.875 27.736,7.866 27.736,8.051 v1(27.813,8.128) ; v1(29.9,26.3) 31.35,26.3 31.45,26.2 v1(32.8,26.2) ; C105.2@49.784,42.479 49.984,42.479 51.277,41.186 51.277,40.417 v1(51.308,40.386) ; J6.5@51.95,30.715 J6.3@51.95,31.985 J6.1@51.95,33.255 J6.1@52.775,33.255 ; J6.5@52.775,30.715 56.515,26.975 v1(56.515,25.908) ; R102.1@59.182,42.128 59.282,42.128 59.707,41.703 59.707,40.985 60.071,40.621 v1(60.071,40.513)
  Bottom Layer w0.5: J7.2@27.114,38.05 27.239,37.925 27.239,36.861 v1(28.1,36)
+3.3VA: C225.1 C226.1 L201.2 U201.21 | length 10.2
  Top Layer w0.3: L201.2@20.5,18.435 L201.2@20.5,18.44 26.74,18.44 27.096,18.796 27.096,20.977 27.391,21.273 U201.21@28.203,21.273
+5: C104.1 C311.1 C312.1 C313.1 C314.1 J5.14 J5.16 J6.13 J6.15 J6.17 J7.25 J7.27 J101.2 R101.1 U101.3 U301.3 U302.3 | length 148.3
  Top Layer w0.5: C313.1@8.636,31.689 C313.1@8.836,31.689 ; v1(10.922,30.226) 10.884,30.264 10.261,30.264 C313.1@8.836,31.689 ; U301.3@13.456,32.131 12.931,32.131 12.489,31.689 C314.1@11.049,31.689 C313.1@8.836,31.689 ; v1(46.355,10.922) 46.409,10.922 46.475,10.856 C312.1@48.006,10.856 48.069,10.919 50.482,10.919 C311.1@50.546,10.983 52.616,10.983 53.317,11.684 U302.3@53.842,11.684 ; U101.3@53.608,37.236 53.608,44.083 J101.2@59.69,50.165
  PWR1 w0.5: v1(10.922,30.226) 13.4,27.748 13.4,27.3 21.65,19.05 23.667,19.05 34.843,7.874 v1(36.068,7.874) ; v1(46.355,10.922) 50.927,15.494 50.927,18.034 v1(55.499,22.606) 55.499,39.099 v1(56.4,40) 57.94,41.54 57.94,48.415 J101.2@59.69,50.165
  Bottom Layer w0.5: J5.16@35.635,6.05 J5.14@34.365,6.05 34.365,6.875 35.326,7.836 36.03,7.836 v1(36.068,7.874) 43.32,7.874 46.355,10.909 v1(46.355,10.922) ; J7.25@42.354,41.95 42.354,42.253 42.479,42.378 43.499,42.378 43.624,42.253 J7.27@43.624,41.95 43.624,42.227 43.749,42.352 47.317,42.352 48.294,43.329 50.771,43.329 53.2,40.9 v1(53.5,40.9) ; J6.13@51.95,25.635 J6.15@51.95,24.365 J6.17@51.95,23.095 54.956,23.095 55.445,22.606 v1(55.499,22.606) ; v1(56.4,40) 56.515,40.115 R101.1@56.515,42.128